# Altium PCB netv2mvp-pvt1b.PCBDOC (part 1 of 7)
Units mm, origin at the board's own origin, x right, y up, seen from the top; angles counter-clockwise.
Board outline 100 x 100 mm, 6 copper layers (L1, L2, L3, L4, L5, L6), stack 1.554 mm thick; 357 components, 296 nets, 2117 pads, 969 vias.
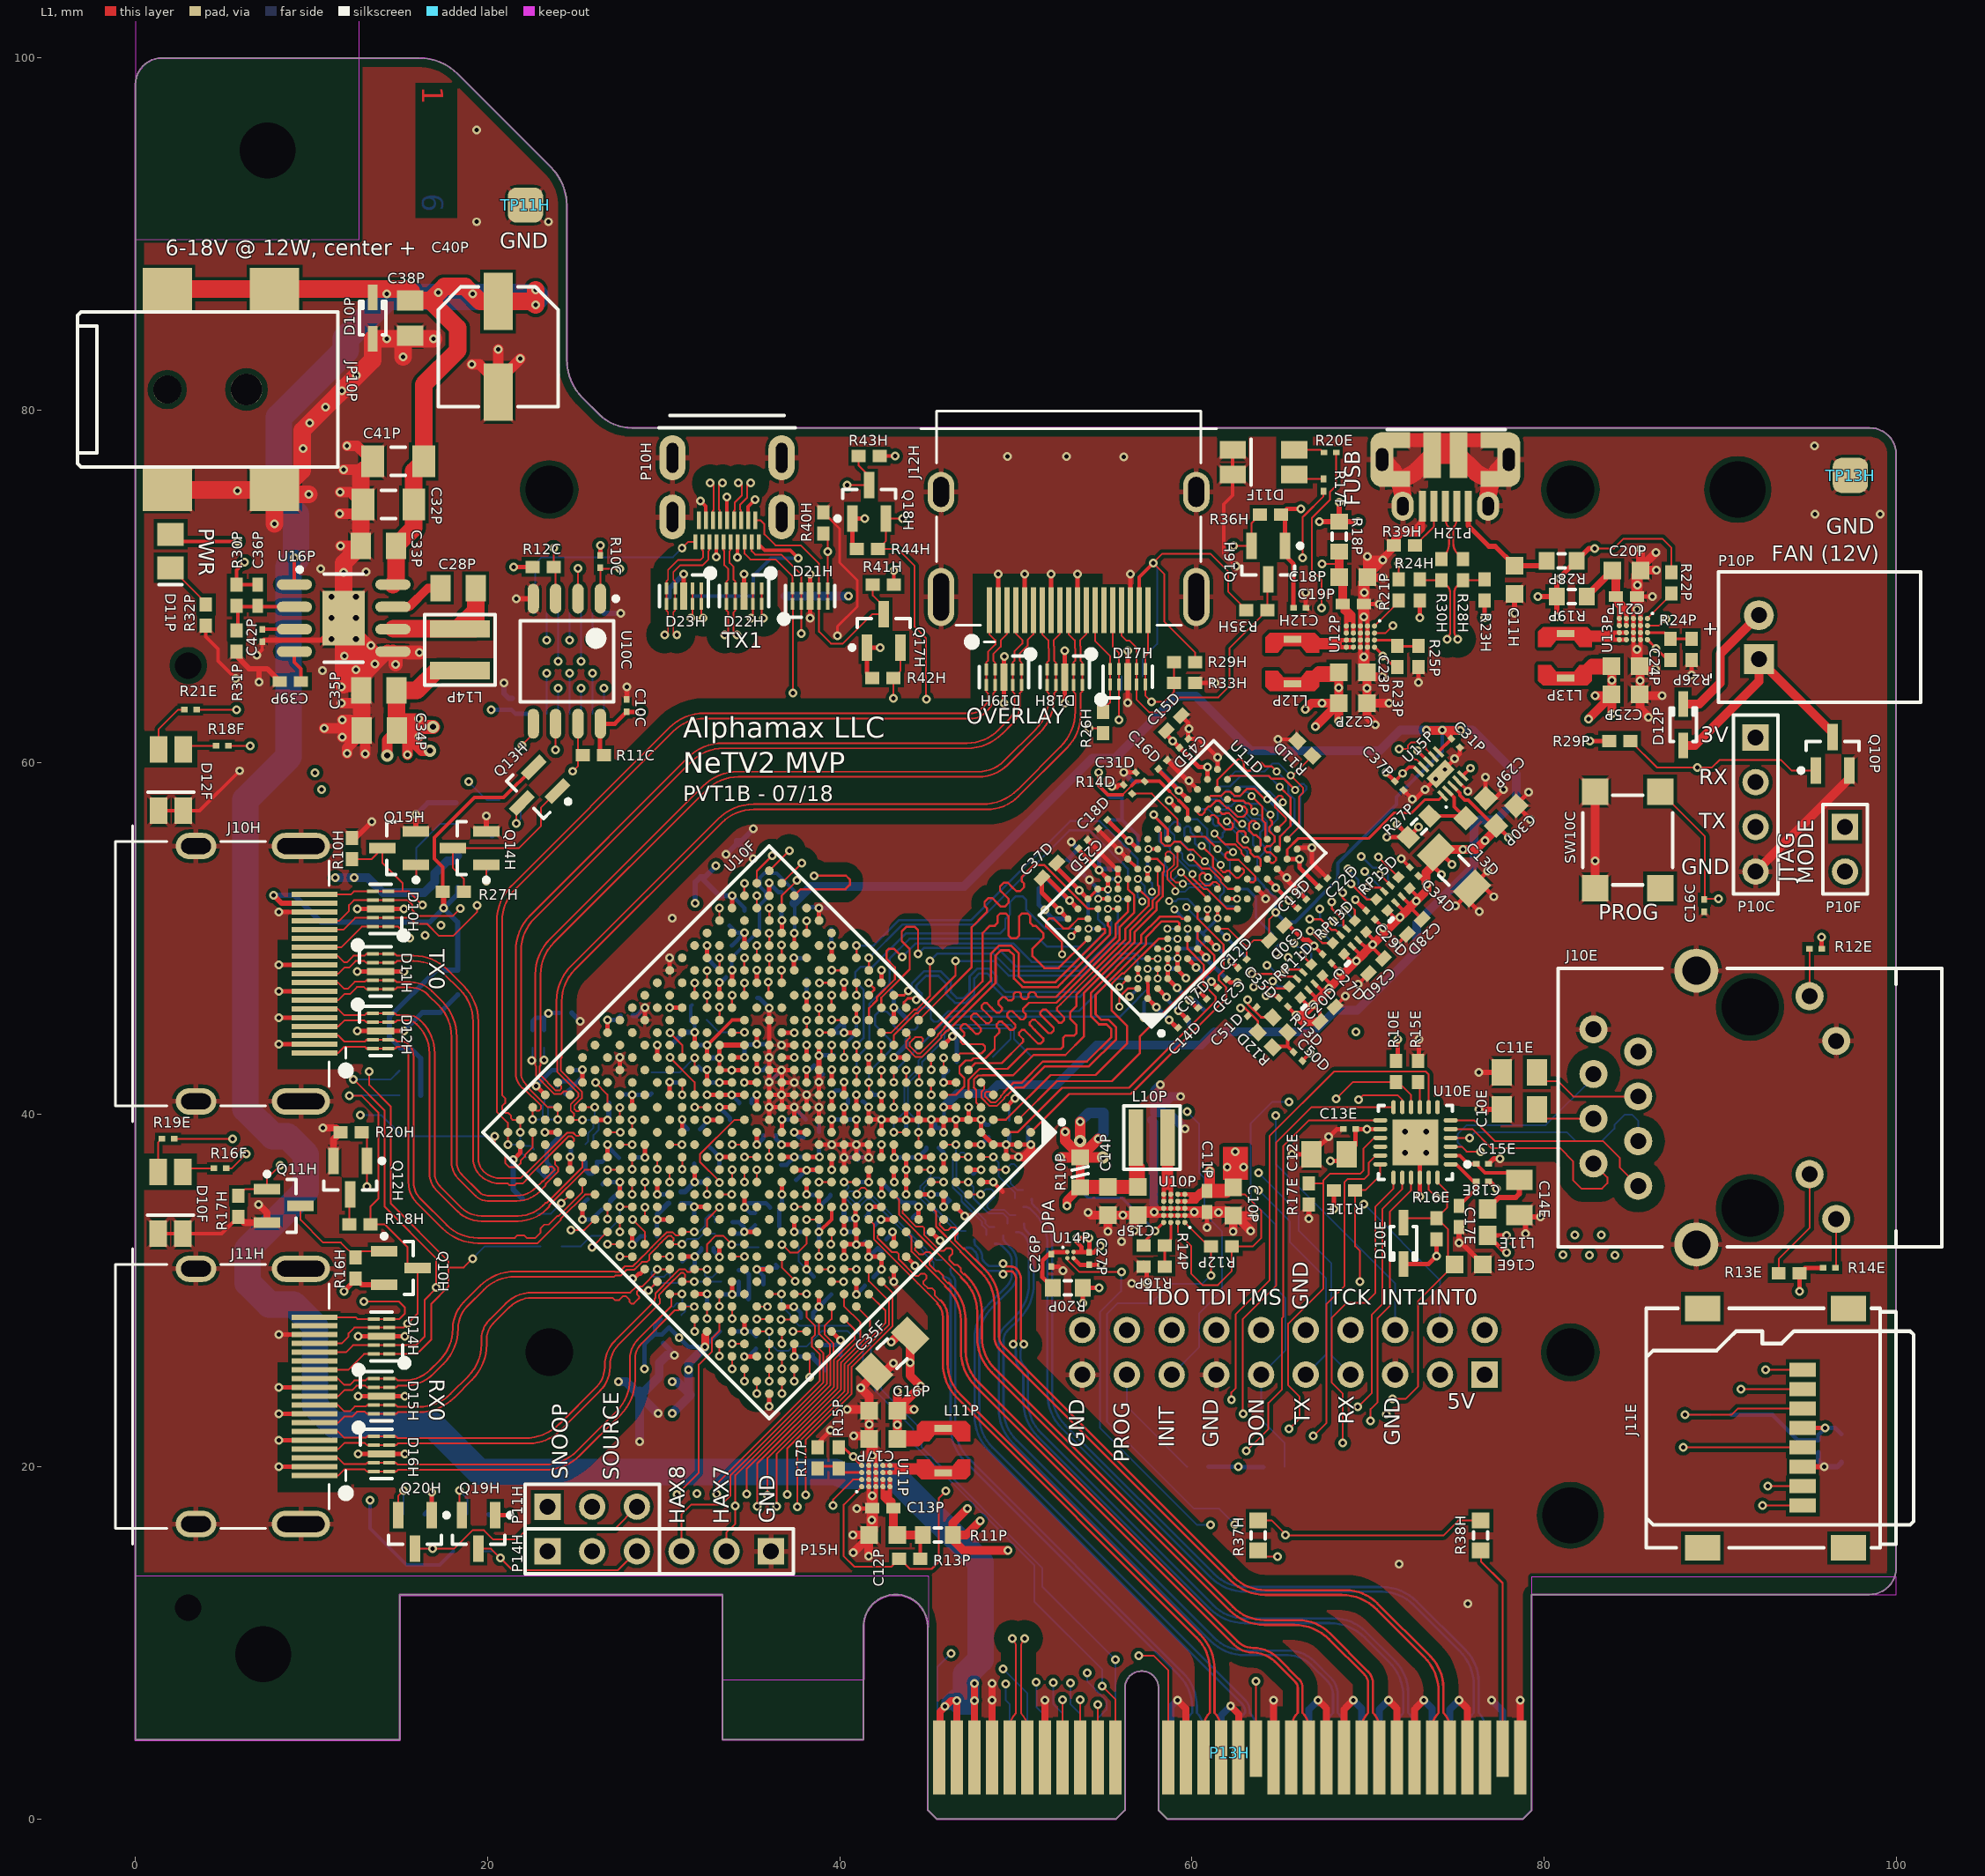
[diagram p0: L1 view]
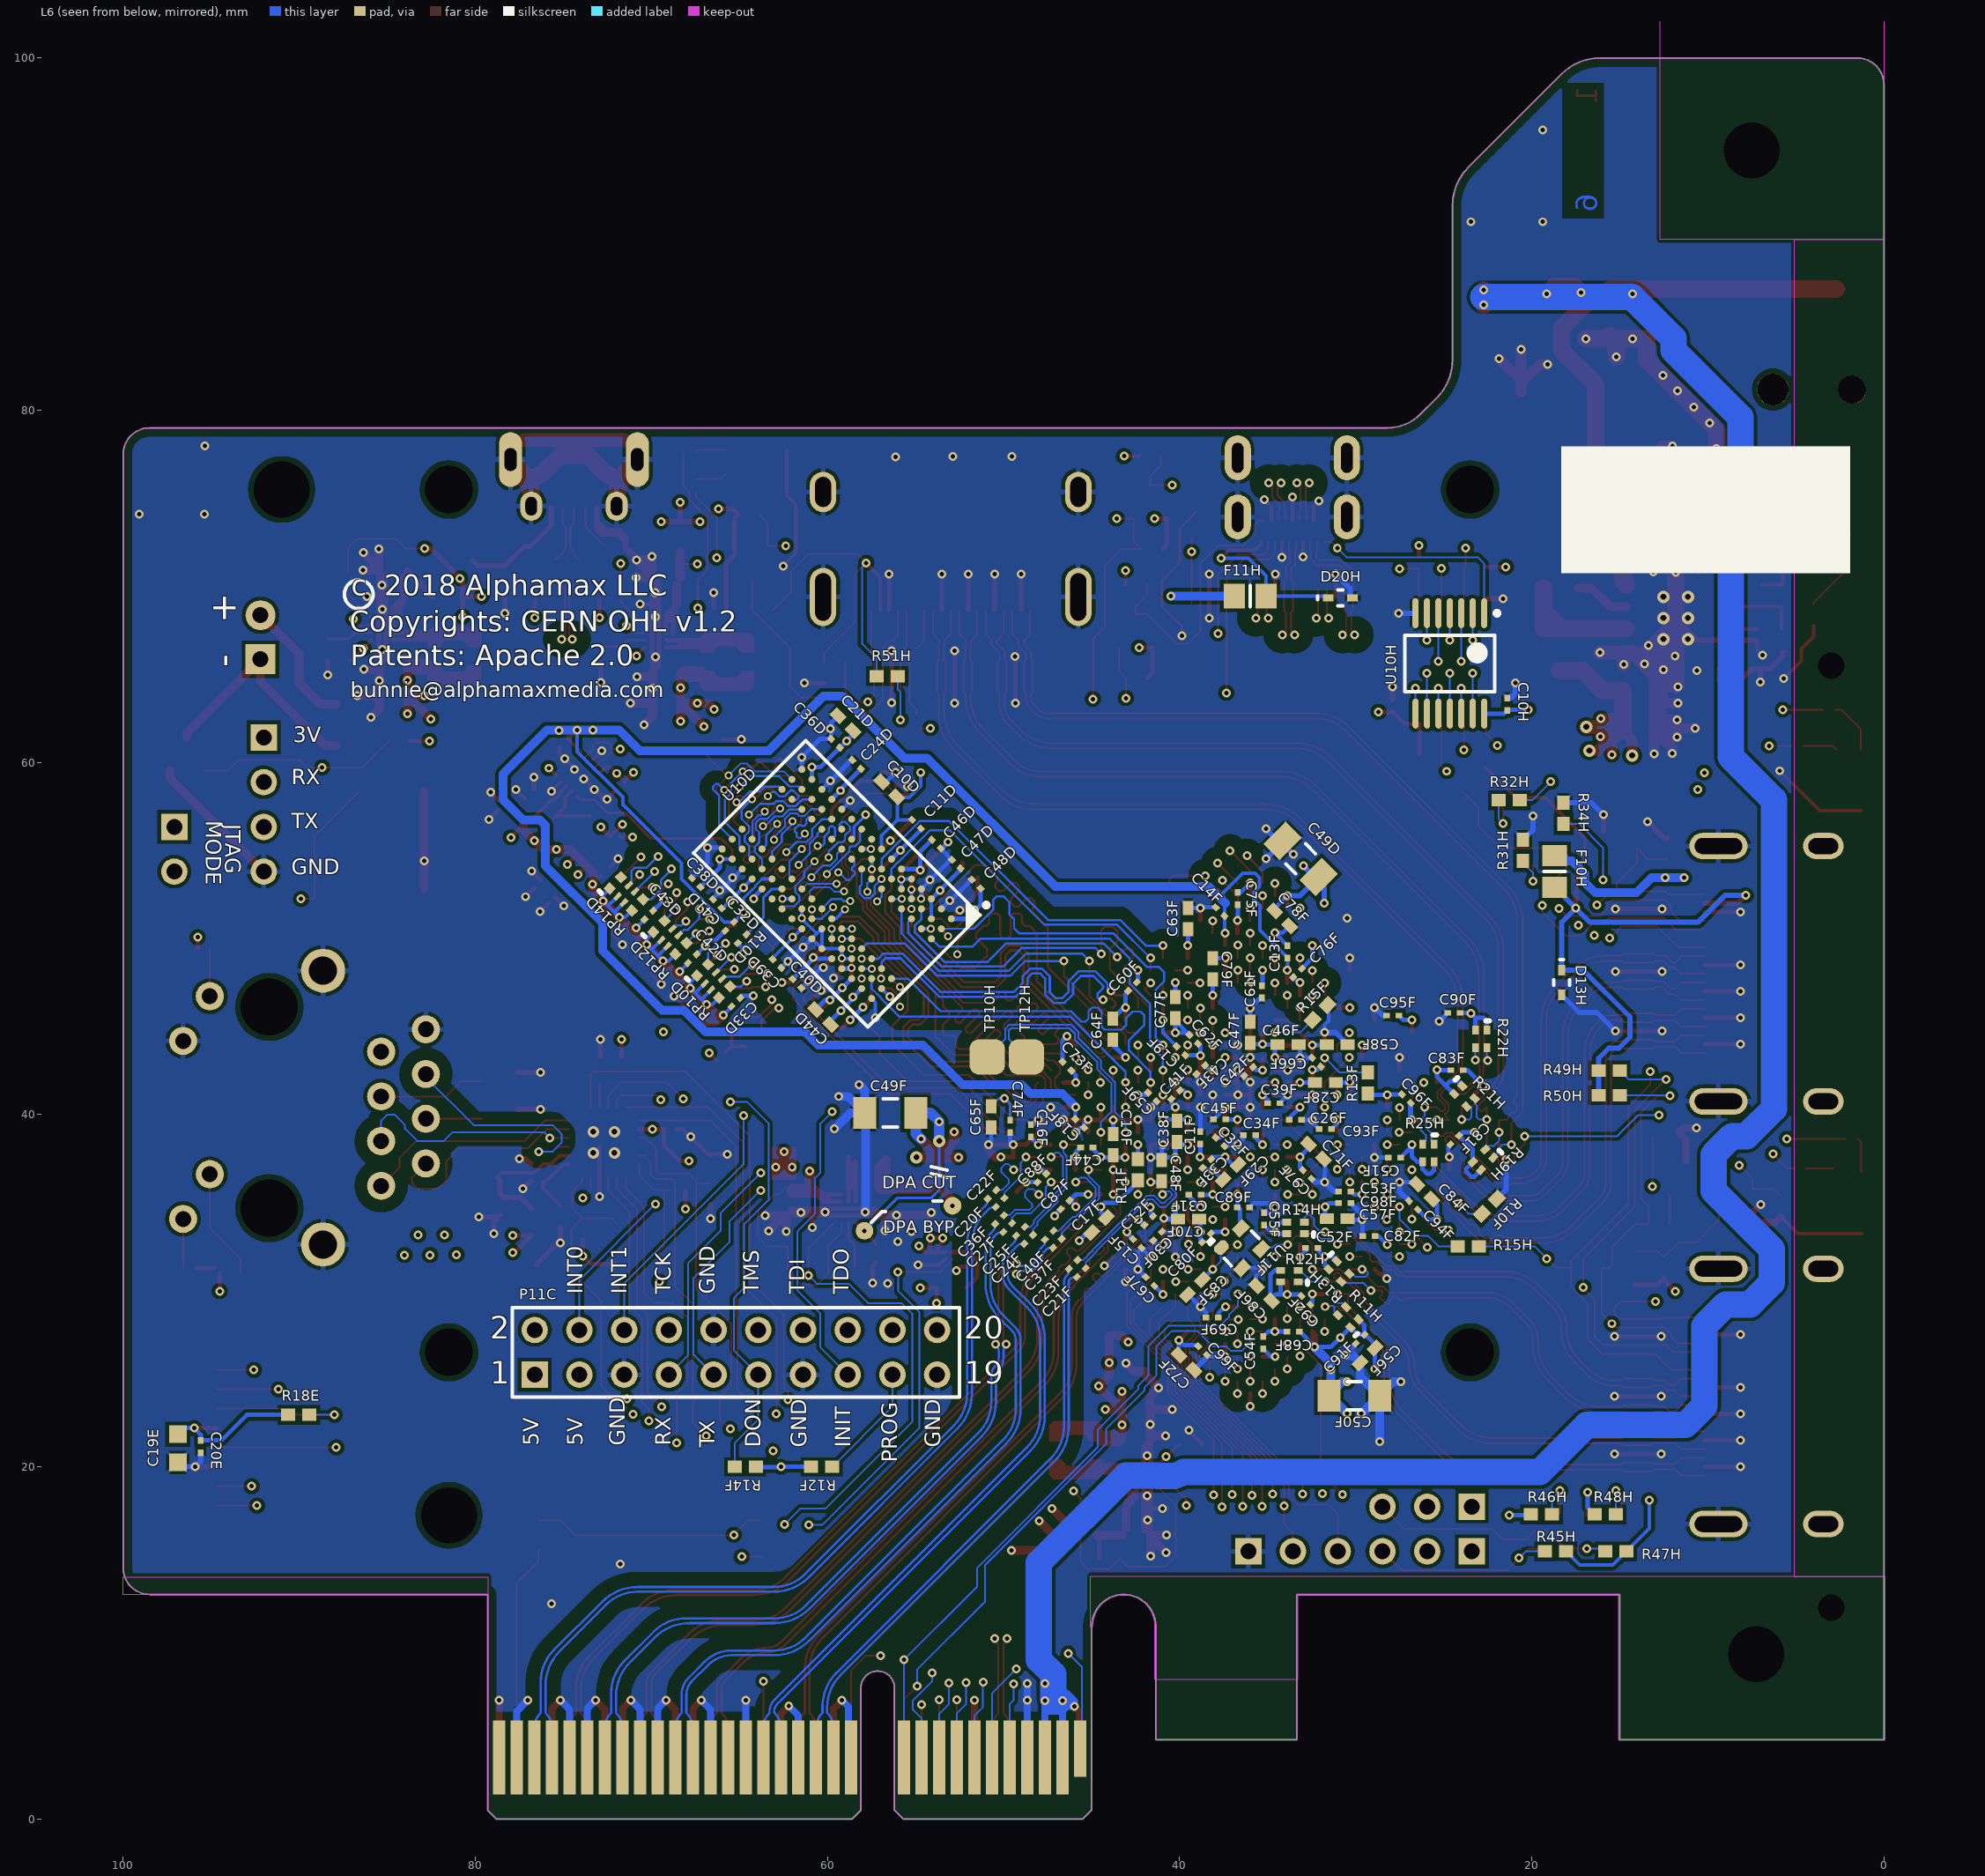
[diagram p1: L6 view, seen from below]
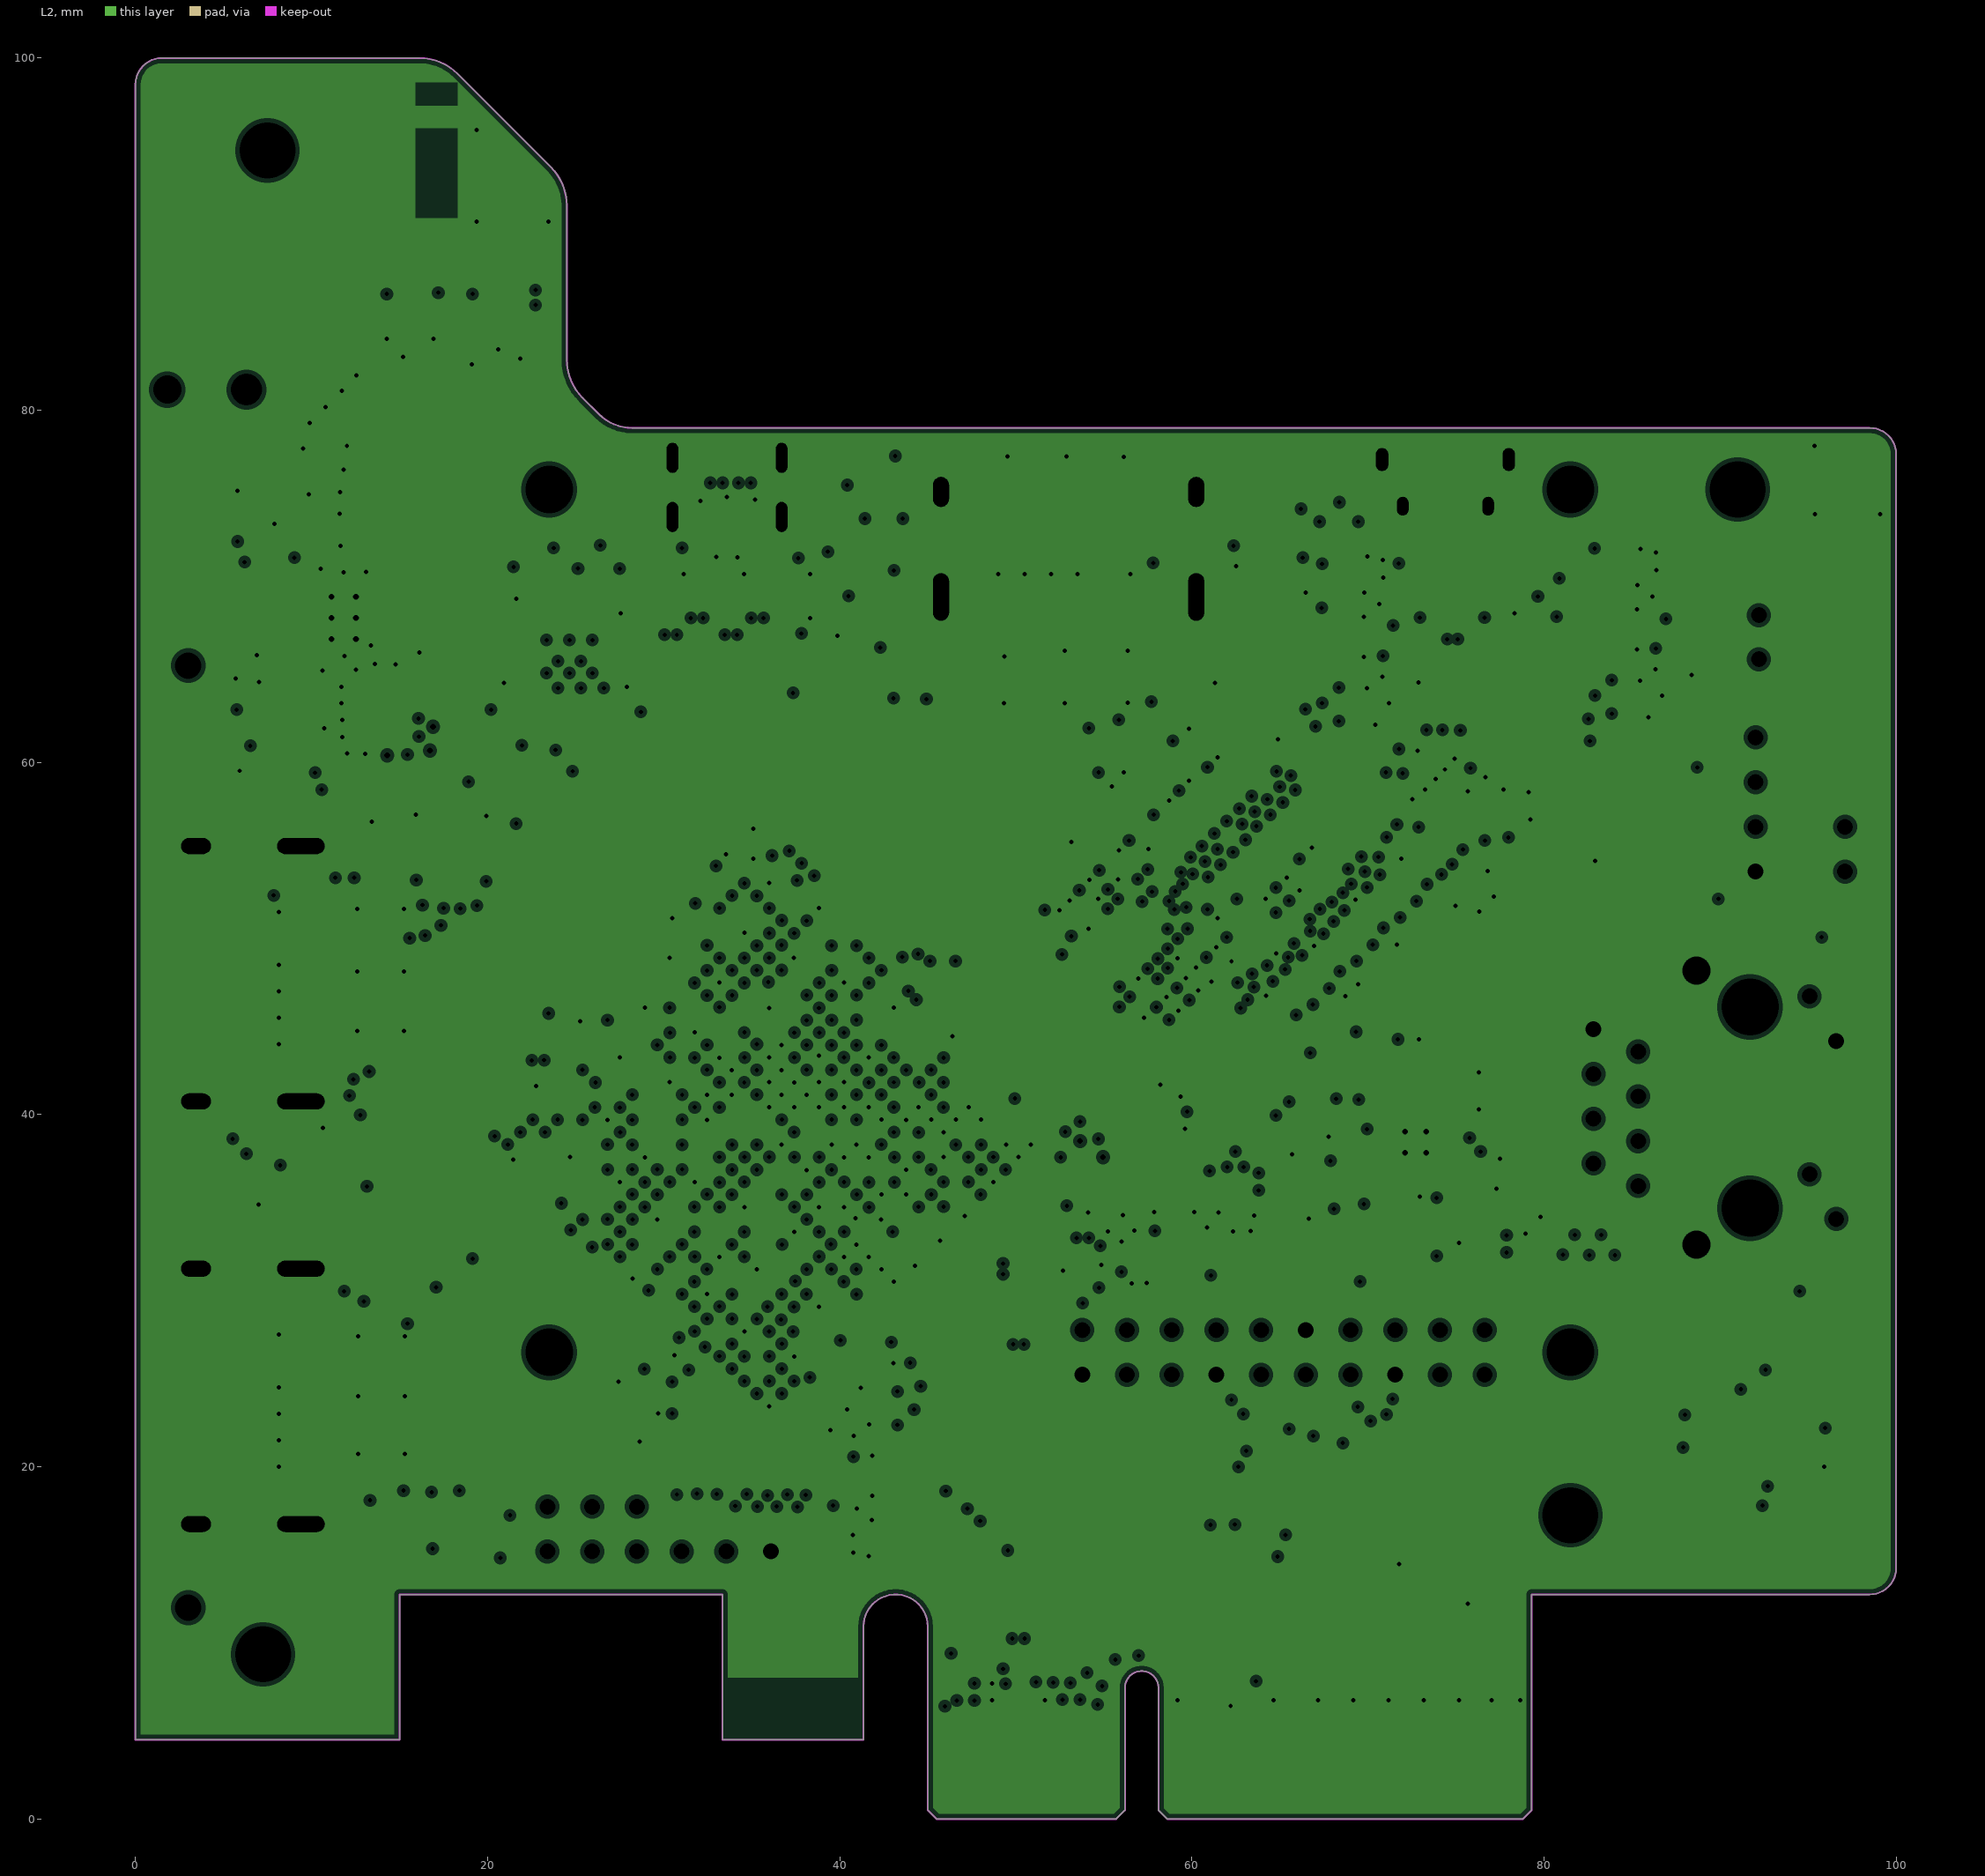
[diagram p2: L2, clearances drawn from the general rule]
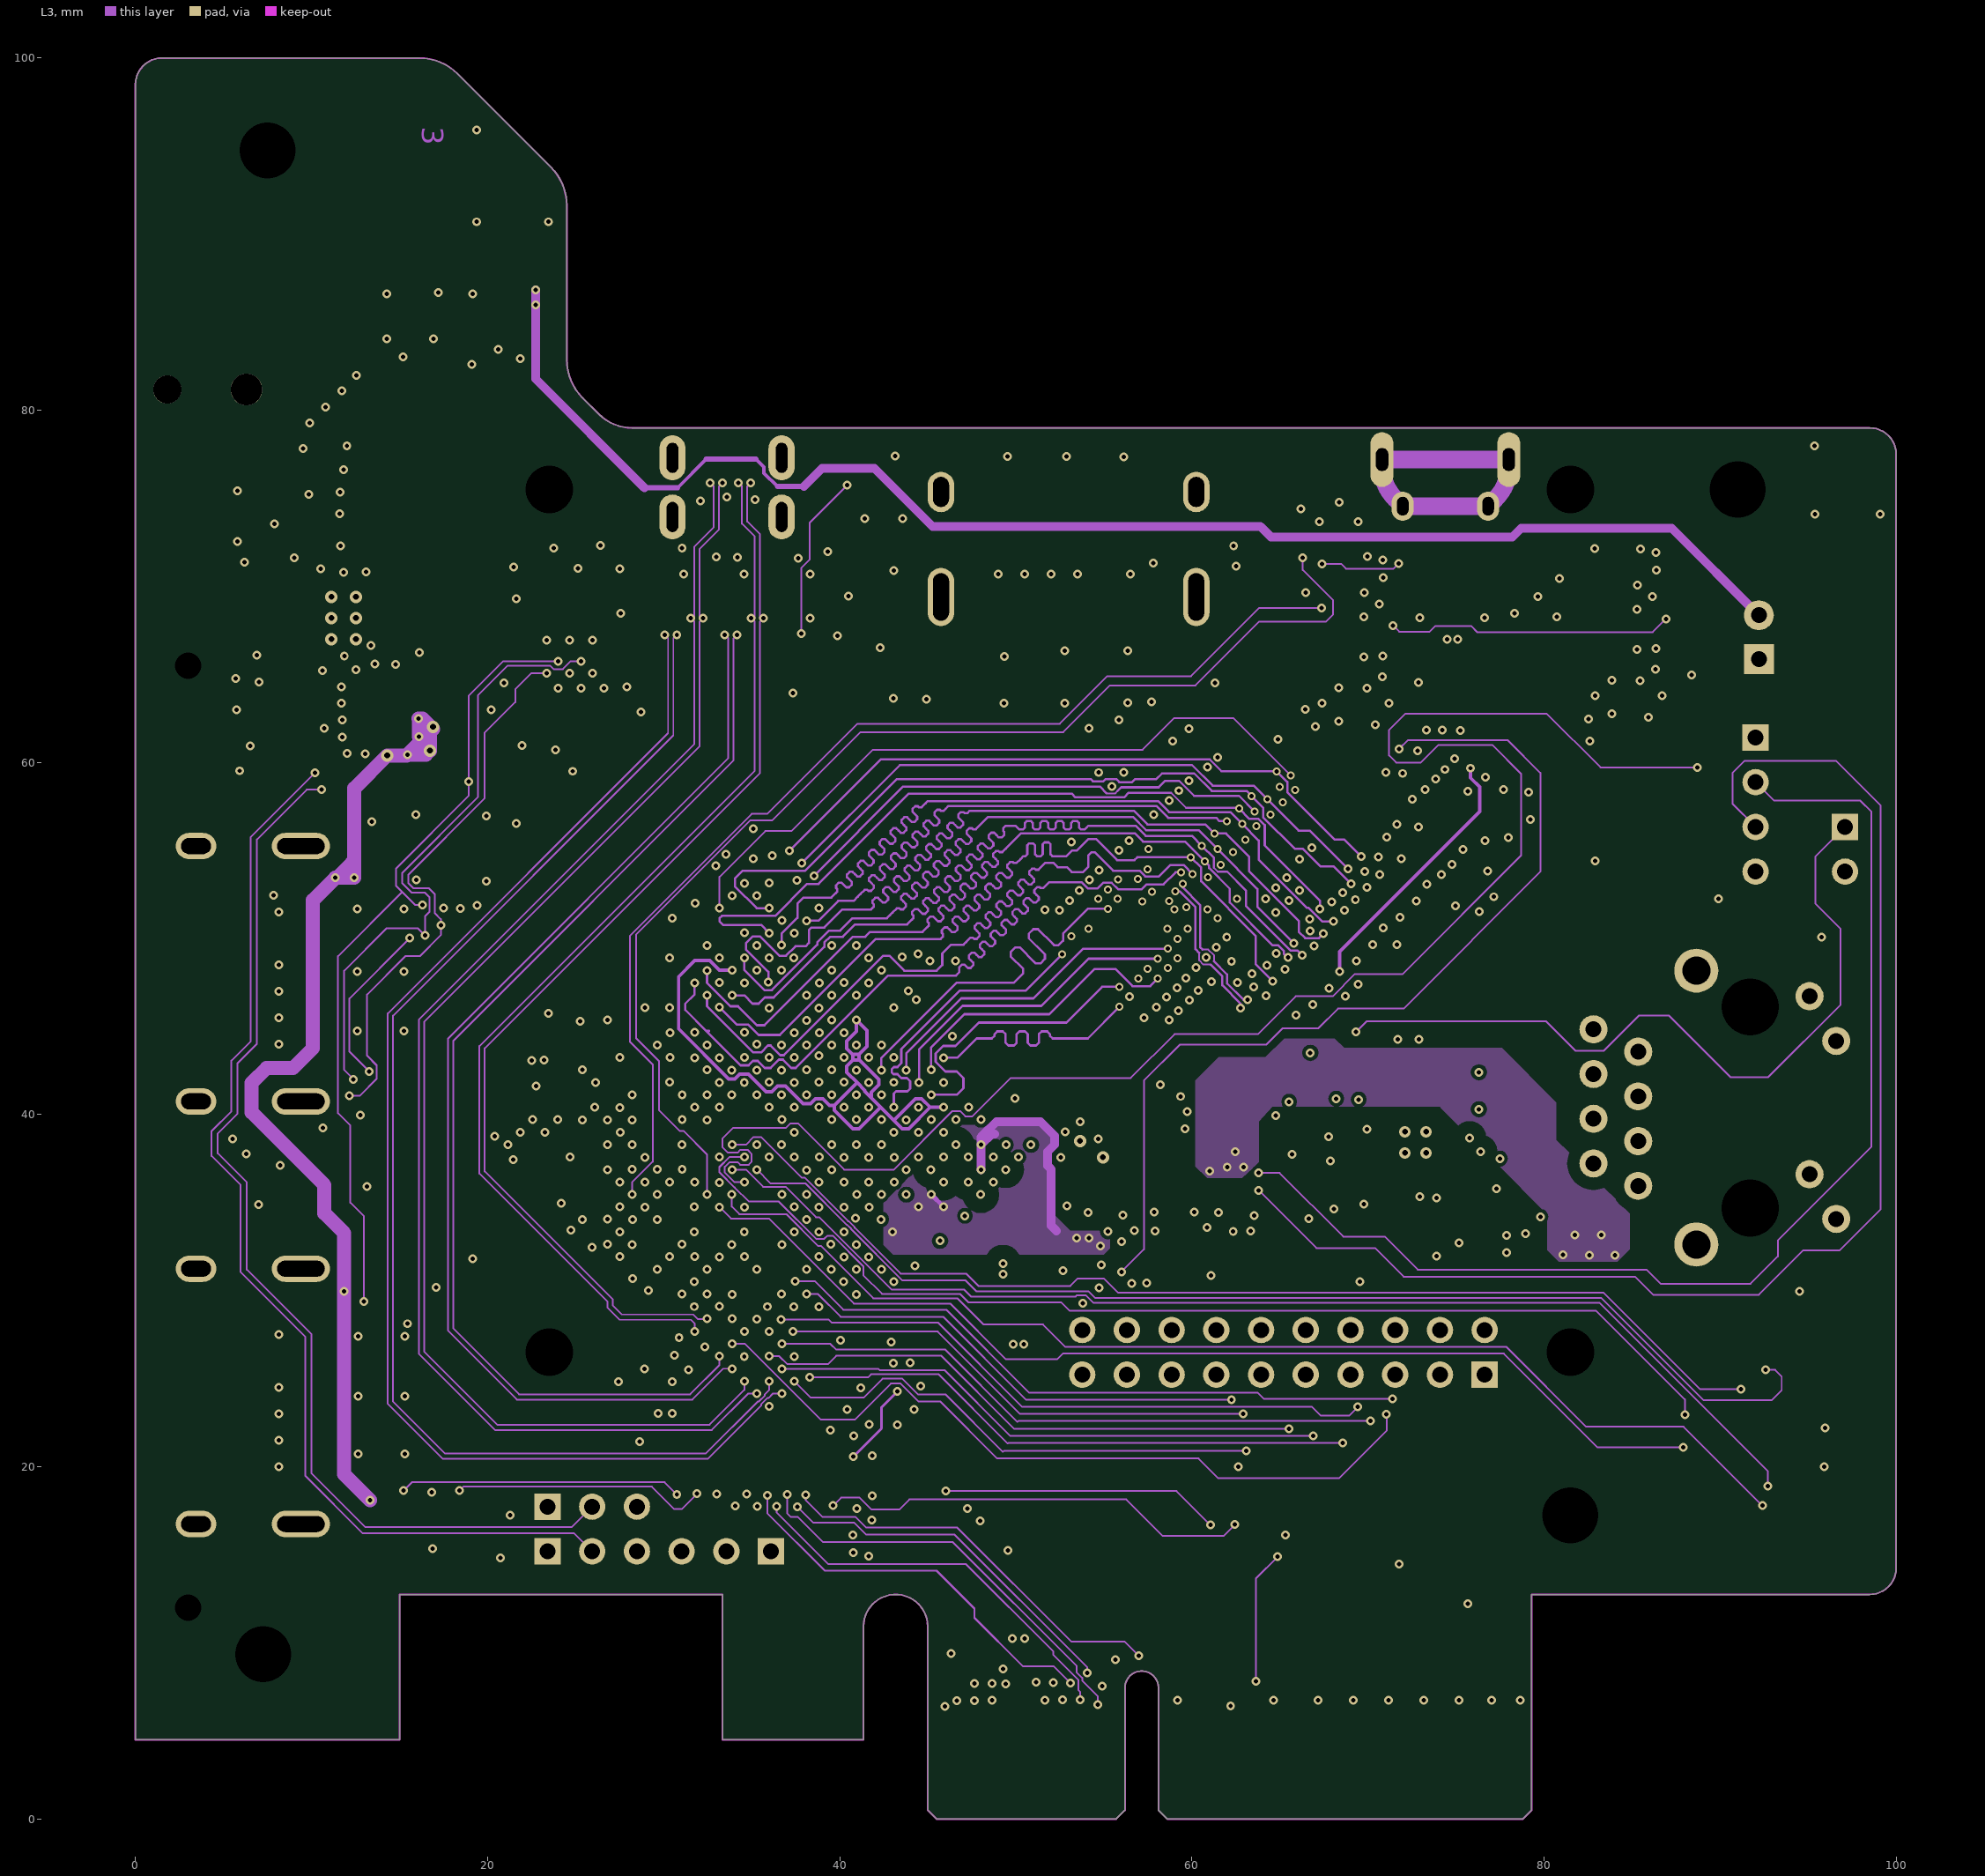
[diagram p3: L3]